# Altium PCB Dashcam_V2.0B.PcbDoc (part 1 of 8) (continued)
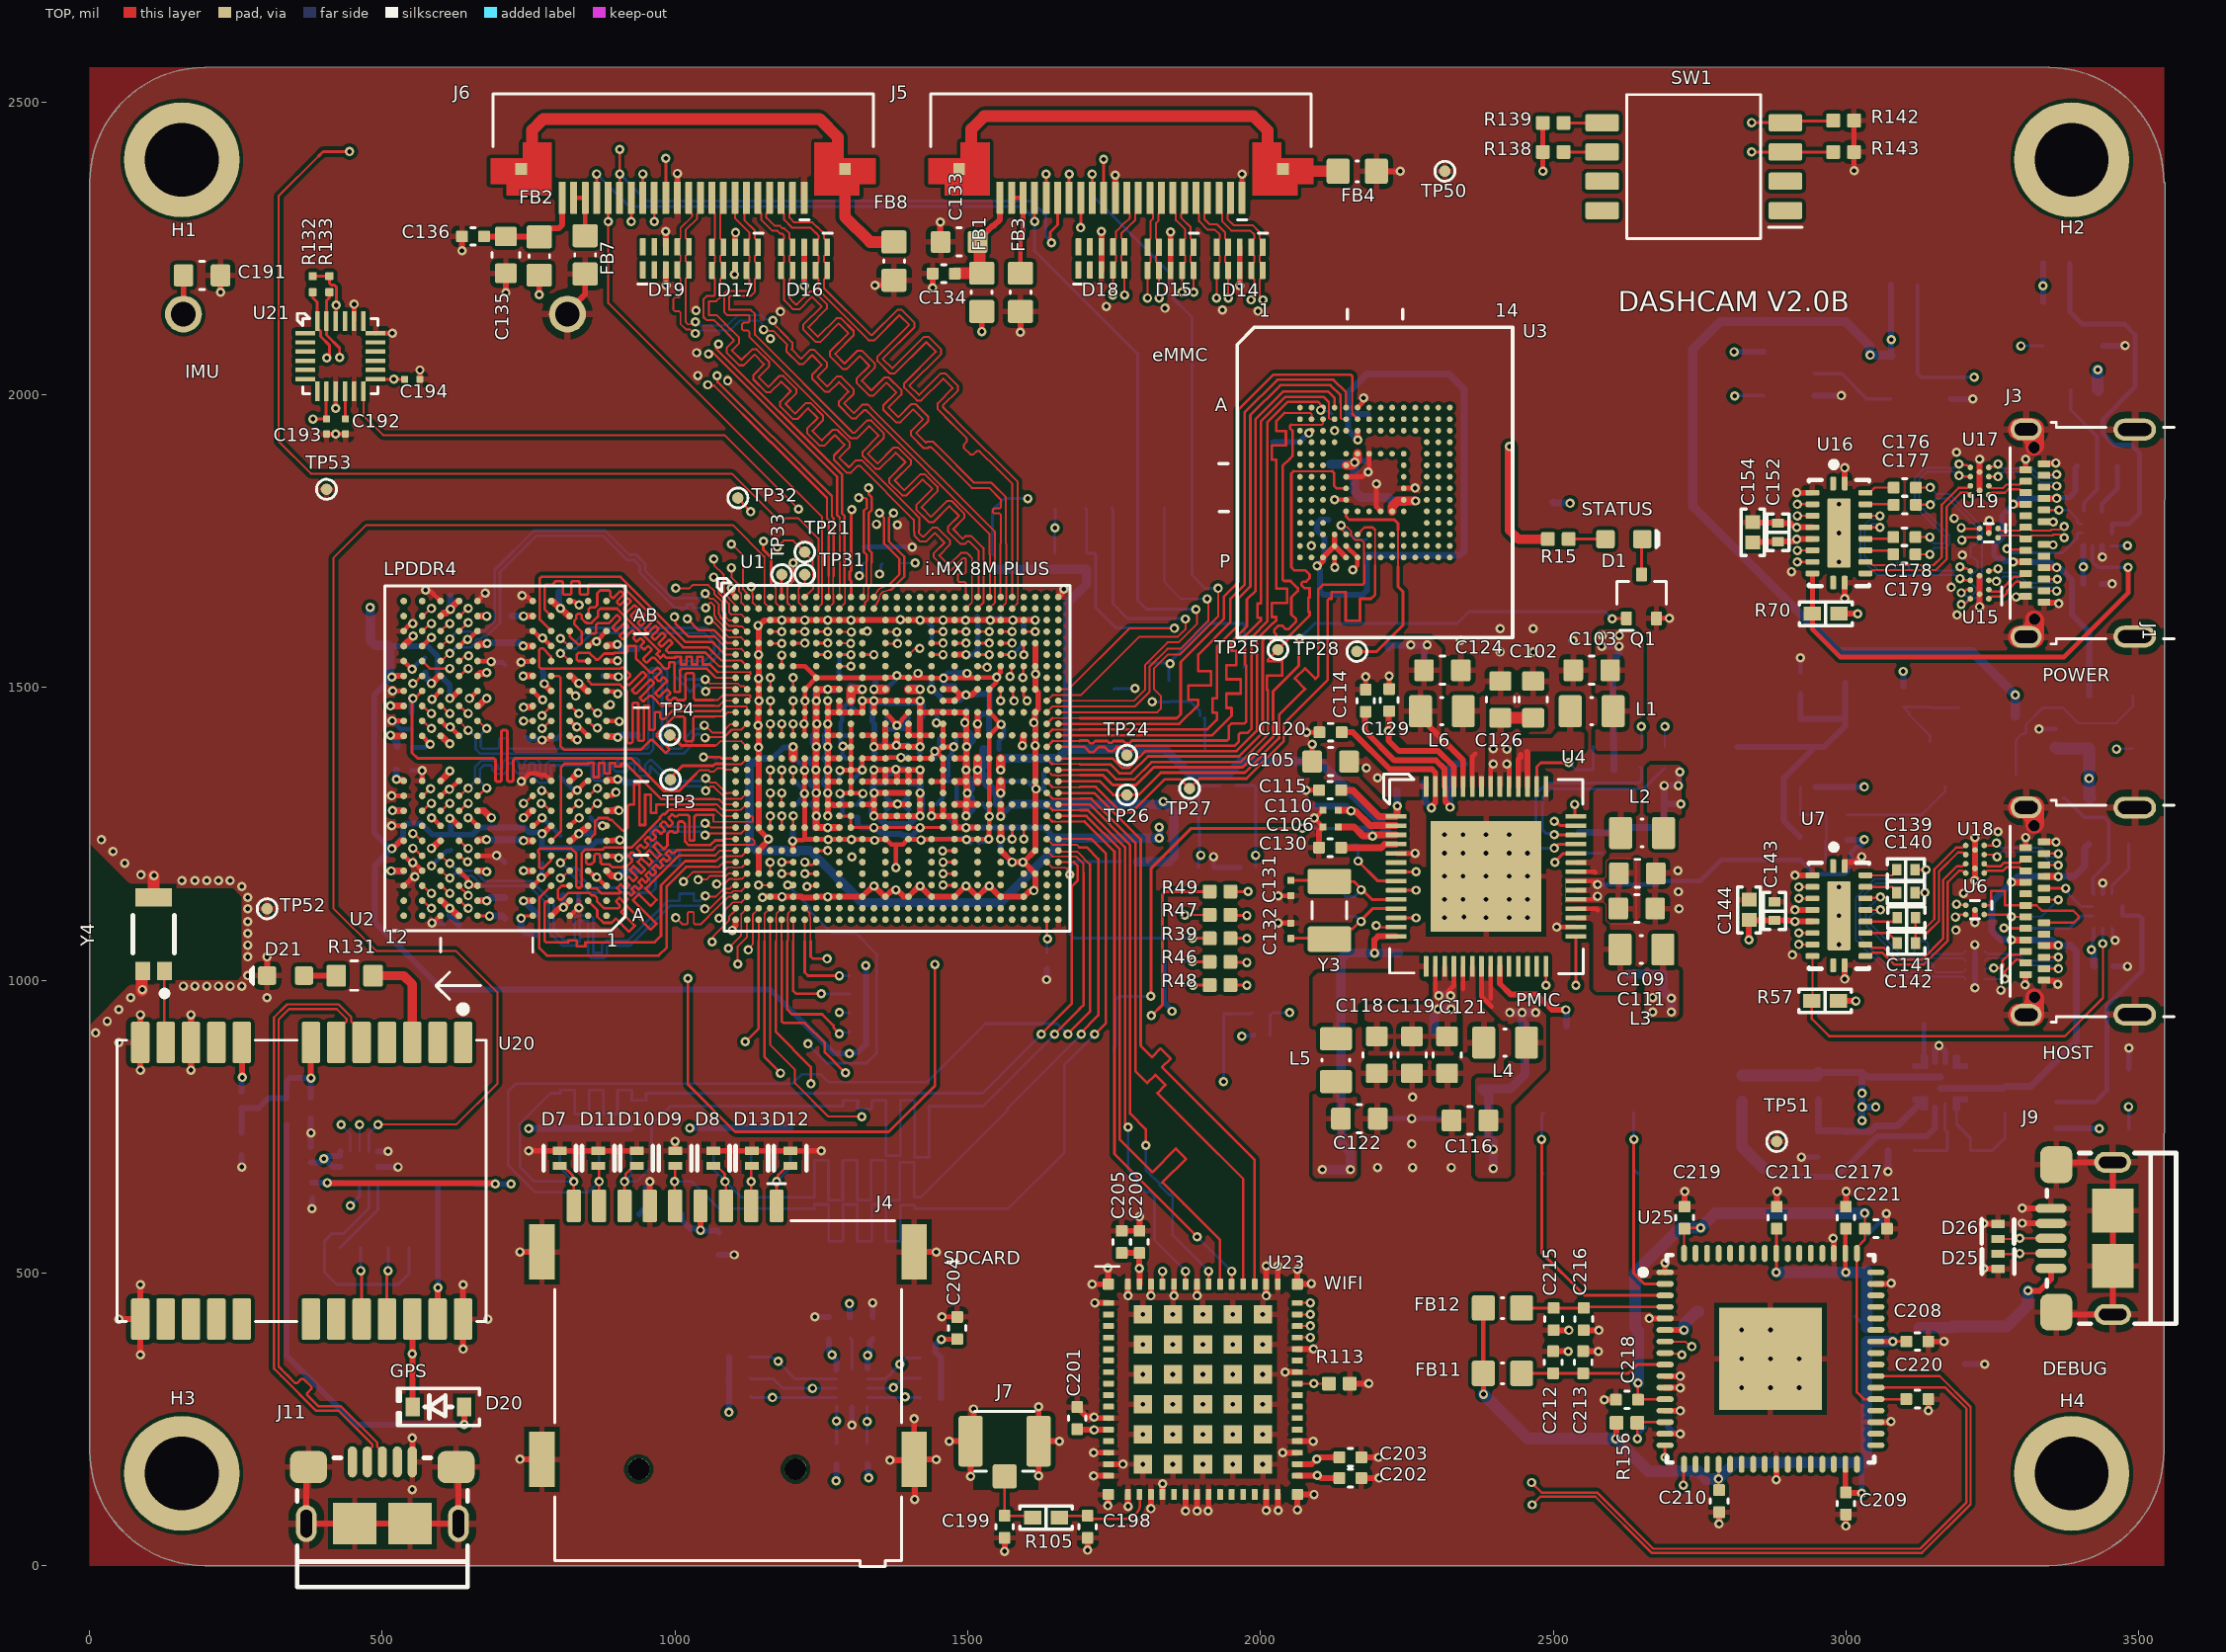
[diagram p0: TOP view]
## Components (designator, comment, footprint, x,y, rotation, side; value= is the part's Value field where it differs from the comment)
BH1 "BH600" MECH_BATTERY_HOLDER_BH600 488.19,2137.8 r90 bottom locked
C1 "CL05A106MQ5NUNC" CAP_0402_CAPC1005X05N 1380.14,1497.68 r0 bottom
C2 "02016D105MAT2A" CAP_0201_CAPC0603X03N 1298.14,1278.68 r0 bottom
C3 "02016D105MAT2A" CAP_0201_CAPC0603X03N 1361.14,1233.68 r90 bottom
C4 "02016D105MAT2A" CAP_0201_CAPC0603X03N 1399.14,1233.68 r90 bottom
C5 "02016D105MAT2A" CAP_0201_CAPC0603X03N 1630.14,1366.68 r90 bottom
C6 "02016D105MAT2A" CAP_0201_CAPC0603X03N 1609.14,1416.68 r180 bottom
C7 "02016D105MAT2A" CAP_0201_CAPC0603X03N 1552.14,1498.68 r180 bottom
C8 "02016D105MAT2A" CAP_0201_CAPC0603X03N 1298.7,1490.55 r90 bottom
C9 "02016D105MAT2A" CAP_0201_CAPC0603X03N 1540.14,1393.68 r180 bottom
C10 "02016D105MAT2A" CAP_0201_CAPC0603X03N 1546.14,1339.68 r180 bottom
C11 "CL05A106MQ5NUNC" CAP_0402_CAPC1005X05N 1320.14,1339.68 r0 bottom
C12 "02016D105MAT2A" CAP_0201_CAPC0603X03N 1361.14,1367.68 r270 bottom
C13 "02016D105MAT2A" CAP_0201_CAPC0603X03N 1395.7,1370.55 r270 bottom
C14 "02016D105MAT2A" CAP_0201_CAPC0603X03N 1361.14,1324.68 r90 bottom
C15 "02016D105MAT2A" CAP_0201_CAPC0603X03N 1396.7,1323.55 r90 bottom
C16 "02016D105MAT2A" CAP_0201_CAPC0603X03N 1538.14,1301.68 r0 bottom
C17 "LMK063BJ224MP-F" CAP_0201_CAPC0603X03N 1630.14,1313.68 r270 bottom
C18 "LMK063BJ224MP-F" CAP_0201_CAPC0603X03N 1330.14,1515.68 r0 bottom
C19 "CL05A106MQ5NUNC" CAP_0402_CAPC1005X05N 1438.7,1339.55 r180 bottom
C20 "02016D105MAT2A" CAP_0201_CAPC0603X03N 1323.14,1299.68 r0 bottom
C21 "02016D105MAT2A" CAP_0201_CAPC0603X03N 1434.14,1300.68 r180 bottom
C22 "02016D105MAT2A" CAP_0201_CAPC0603X03N 1361.14,1278.68 r270 bottom
C23 "02016D105MAT2A" CAP_0201_CAPC0603X03N 1399.14,1278.68 r270 bottom
C24 "02016D105MAT2A" CAP_0201_CAPC0603X03N 1543.14,1217.68 r0 bottom
C25 "CL05A106MQ5NUNC" CAP_0402_CAPC1005X05N 1322.14,1418.68 r0 bottom
C26 "02016D105MAT2A" CAP_0201_CAPC0603X03N 1361.14,1460.68 r90 bottom
C27 "02016D105MAT2A" CAP_0201_CAPC0603X03N 1399.14,1460.68 r90 bottom
C28 "02016D105MAT2A" CAP_0201_CAPC0603X03N 1323.14,1458.68 r0 bottom
C29 "CL05A106MQ5NUNC" CAP_0402_CAPC1005X05N 1439.14,1418.68 r180 bottom
C30 "02016D105MAT2A" CAP_0201_CAPC0603X03N 1436.14,1458.68 r180 bottom
C31 "02016D105MAT2A" CAP_0201_CAPC0603X03N 1362.7,1413.55 r270 bottom
C32 "02016D105MAT2A" CAP_0201_CAPC0603X03N 1395.7,1415.55 r270 bottom
C33 "CL05A106MQ5NUNC" CAP_0402_CAPC1005X05N 1465.14,1260.68 r90 bottom
C34 "02016D105MAT2A" CAP_0201_CAPC0603X03N 1172.14,1397.68 r0 bottom
C35 "02016D105MAT2A" CAP_0201_CAPC0603X03N 1519.14,1247.68 r90 bottom
C36 "02016D105MAT2A" CAP_0201_CAPC0603X03N 1549.14,1416.68 r180 bottom
C37 "02016D105MAT2A" CAP_0201_CAPC0603X03N 1550.14,1455.68 r180 bottom
C38 "CL05A106MQ5NUNC" CAP_0402_CAPC1005X05N 1273.14,1378.68 r180 bottom
C39 "02016D105MAT2A" CAP_0201_CAPC0603X03N 1274.14,1458.68 r180 bottom
C40 "02016D105MAT2A" CAP_0201_CAPC0603X03N 1268.14,1417.68 r180 bottom
C41 "02016D105MAT2A" CAP_0201_CAPC0603X03N 1266.14,1338.68 r180 bottom
C42 "02016D105MAT2A" CAP_0201_CAPC0603X03N 1438.14,1528.68 r270 bottom
C43 "02016D105MAT2A" CAP_0201_CAPC0603X03N 1459.14,1490.68 r270 bottom
C44 "02016D105MAT2A" CAP_0201_CAPC0603X03N 1478.14,1490.68 r270 bottom
C45 "02016D105MAT2A" CAP_0201_CAPC0603X03N 1517.14,1500.68 r270 bottom
C46 "CL05A106MQ5NUNC" CAP_0402_CAPC1005X05N 1485.7,1380.55 r0 bottom
C47 "02016D105MAT2A" CAP_0201_CAPC0603X03N 1274.14,1299.68 r180 bottom
C48 "02016D105MAT2A" CAP_0201_CAPC0603X03N 1485.14,1460.68 r0 bottom
C49 "02016D105MAT2A" CAP_0201_CAPC0603X03N 1495.14,1417.68 r0 bottom
C50 "02016D105MAT2A" CAP_0201_CAPC0603X03N 1494.14,1339.68 r0 bottom
C51 "02016D105MAT2A" CAP_0201_CAPC0603X03N 1495.14,1301.68 r0 bottom
C52 "02016D105MAT2A" CAP_0201_CAPC0603X03N 1329.14,1377.68 r0 bottom
C53 "02016D105MAT2A" CAP_0201_CAPC0603X03N 1430.14,1378.68 r180 bottom
C54 "CL05A106MQ5NUNC" CAP_0402_CAPC1005X05N 1241.14,1515.68 r270 bottom
C55 "02016D105MAT2A" CAP_0201_CAPC0603X03N 1279.7,1508.55 r270 bottom
C56 "02016D105MAT2A" CAP_0201_CAPC0603X03N 1228.14,1457.68 r0 bottom
C57 "02016D105MAT2A" CAP_0201_CAPC0603X03N 1223.14,1417.68 r0 bottom
C58 "CL05A106MQ5NUNC" CAP_0402_CAPC1005X05N 1220.14,1259.68 r0 bottom
C59 "02016D105MAT2A" CAP_0201_CAPC0603X03N 1218.14,1378.68 r0 bottom
C60 "02016D105MAT2A" CAP_0201_CAPC0603X03N 1219.14,1338.68 r0 bottom
C61 "02016D105MAT2A" CAP_0201_CAPC0603X03N 1220.14,1300.68 r0 bottom
C62 "02016D105MAT2A" CAP_0201_CAPC0603X03N 1281.14,1246.68 r90 bottom
C63 "C1005X5R0J475M050BC" CAP_0402_CAPC1005X05N 1536.14,1621.68 r180 bottom
C64 "GRM033R71C222KA88D" CAP_0201_CAPC0603X03N 1595.14,1590.68 r270 bottom
C65 "GRM033R71C222KA88D" CAP_0201_CAPC0603X03N 1438.8,1570.52 r270 bottom
C66 "GRM0335C1H180JA01D" CAP_0201_CAPC0603X03N 1906.8,1192.52 r180 bottom
C67 "GRM0335C1H180JA01D" CAP_0201_CAPC0603X03N 1978.8,1192.52 r0 bottom
C68 "CGA1A2C0G1E120J030BA" CAP_0201_CAPC0603X03N 1959.8,1590.52 r0 bottom
C69 "CGA1A2C0G1E120J030BA" CAP_0201_CAPC0603X03N 1917.8,1393.52 r180 bottom
C71 "CL05A106MQ5NUNC" CAP_0402_CAPC1005X05N 510.14,1590.68 r270 bottom
C72 "CL05A106MQ5NUNC" CAP_0402_CAPC1005X05N 773.14,1545.68 r270 bottom
C73 "02016D105MAT2A" CAP_0201_CAPC0603X03N 877.14,1532.68 r270 bottom
C74 "02016D105MAT2A" CAP_0201_CAPC0603X03N 617.14,1235.68 r90 bottom
C75 "02016D105MAT2A" CAP_0201_CAPC0603X03N 773.14,1212.68 r90 bottom
C76 "02016D105MAT2A" CAP_0201_CAPC0603X03N 877.14,1224.68 r90 bottom
C77 "CL05A106MQ5NUNC" CAP_0402_CAPC1005X05N 709.14,1557.68 r90 bottom
C78 "CL05A106MQ5NUNC" CAP_0402_CAPC1005X05N 708.14,1220.68 r90 bottom
C79 "02016D105MAT2A" CAP_0201_CAPC0603X03N 936.14,1199.68 r270 bottom
C80 "02016D105MAT2A" CAP_0201_CAPC0603X03N 822.14,1144.68 r180 bottom
C81 "02016D105MAT2A" CAP_0201_CAPC0603X03N 618.14,1095.68 r0 bottom
C82 "02016D105MAT2A" CAP_0201_CAPC0603X03N 536.14,1172.68 r90 bottom
C83 "02016D105MAT2A" CAP_0201_CAPC0603X03N 537.15,1358.68 r180 bottom
C84 "02016D105MAT2A" CAP_0201_CAPC0603X03N 538.14,1397.68 r180 bottom
C85 "CL05A106MQ5NUNC" CAP_0402_CAPC1005X05N 820.14,1663.68 r180 bottom
C86 "02016D105MAT2A" CAP_0201_CAPC0603X03N 573.14,1537.68 r270 bottom
C87 "02016D105MAT2A" CAP_0201_CAPC0603X03N 603.14,1658.68 r0 bottom
C88 "02016D105MAT2A" CAP_0201_CAPC0603X03N 720.14,1635.68 r270 bottom
C89 "02016D105MAT2A" CAP_0201_CAPC0603X03N 936.14,1431.68 r270 bottom
C90 "02016D105MAT2A" CAP_0201_CAPC0603X03N 936.14,1324.68 r90 bottom
C91 "02016D105MAT2A" CAP_0201_CAPC0603X03N 856.14,1264.68 r270 bottom
C92 "02016D105MAT2A" CAP_0201_CAPC0603X03N 936.14,1553.68 r90 bottom
C93 "CL05A475KP5NRNC" CAP_0402_CAPC1005X05N 2204,1892 r180 bottom
C94 "LMK063BJ224MP-F" CAP_0201_CAPC0603X03N 2118.7,1894.55 r270 bottom
C95 "LMK063BJ224MP-F" CAP_0201_CAPC0603X03N 2217.7,1838.54 r270 bottom
C96 "CL05A106MQ5NUNC" CAP_0402_CAPC1005X05N 2202.7,1967.55 r180 bottom
C97 "LMK063BJ224MP-F" CAP_0201_CAPC0603X03N 2115.7,1799.55 r270 bottom
C98 "LMK063BJ224MP-F" CAP_0201_CAPC0603X03N 2082.7,1769.55 r0 bottom
C99 "LMK063BJ224MP-F" CAP_0201_CAPC0603X03N 2114.7,1683.55 r180 bottom
C100 "LMK063BJ224MP-F" CAP_0201_CAPC0603X03N 2044.7,1906.55 r90 bottom
C101 "02016D105MAT2A" CAP_0201_CAPC0603X03N 2020.7,1906.55 r90 bottom
C102 "GRM188R61C106MAALD" CAP_0603_CAPC1608X08N 2465.8,1479.52 r270 top
C103 "C1608X5R1A226M080AC" CAP_0603_CAPC1608X08N 2565.8,1529.52 r0 top
C104 "C1608X5R1A226M080AC" CAP_0603_CAPC1608X08N 2565.8,1527.52 r0 bottom
C105 "GRM188R61C106MAALD" CAP_0603_CAPC1608X08N 2119.8,1373.52 r0 top
C106 "02016D105MAT2A" CAP_0201_CAPC0603X03N 2119.8,1261.52 r180 top
C107 "C1608X5R1A226M080AC" CAP_0603_CAPC1608X08N 2690.8,1228.52 r90 bottom
C108 "C1608X5R1A226M080AC" CAP_0603_CAPC1608X08N 2630.8,1229.52 r90 bottom
C109 "GRM188R61C106MAALD" CAP_0603_CAPC1608X08N 2643.8,1182.52 r180 top
C110 "02016D105MAT2A" CAP_0201_CAPC0603X03N 2119.8,1290.52 r180 top
C111 "GRM188R61C106MAALD" CAP_0603_CAPC1608X08N 2642.8,1122.52 r180 top
C112 "C1608X5R1A226M080AC" CAP_0603_CAPC1608X08N 2687.8,1042.52 r270 bottom
C113 "C1608X5R1A226M080AC" CAP_0603_CAPC1608X08N 2627.8,1041.52 r270 bottom
C114 "CL05A106MQ5NUNC" CAP_0402_CAPC1005X05N 2179.8,1477.52 r270 top
C115 "C1005X5R0J475M050BC" CAP_0402_CAPC1005X05N 2118.8,1324.52 r180 top
C116 "C1608X5R1A226M080AC" CAP_0603_CAPC1608X08N 2357.8,760.52 r0 top
C117 "C1608X5R1A226M080AC" CAP_0603_CAPC1608X08N 2359.8,763.52 r0 bottom
C118 "GRM188R61C106MAALD" CAP_0603_CAPC1608X08N 2198.8,872.52 r90 top
C119 "GRM188R61C106MAALD" CAP_0603_CAPC1608X08N 2258.8,872.52 r90 top
C120 "C1005X5R0J475M050BC" CAP_0402_CAPC1005X05N 2119.8,1423.52 r180 top
C121 "GRM188R61C106MAALD" CAP_0603_CAPC1608X08N 2318.8,872.52 r90 top
C122 "C1608X5R1A226M080AC" CAP_0603_CAPC1608X08N 2168.8,763.52 r180 top
C123 "C1608X5R1A226M080AC" CAP_0603_CAPC1608X08N 2169.8,763.52 r180 bottom
C124 "C1608X5R1A226M080AC" CAP_0603_CAPC1608X08N 2310.8,1529.52 r180 top
C125 "C1608X5R1A226M080AC" CAP_0603_CAPC1608X08N 2310.8,1530.52 r180 bottom
C126 "GRM188R61C106MAALD" CAP_0603_CAPC1608X08N 2409.8,1479.52 r270 top
C127 "GRM155C81A105KA12D" CAP_0402_CAPC1005X05N 2358.8,814.52 r0 bottom
C128 "CL05A475KP5NRNC" CAP_0402_CAPC1005X05N 2541.8,922.52 r180 bottom
C129 "GRM155C81A105KA12D" CAP_0402_CAPC1005X05N 2219.8,1478.52 r270 top
C130 "GRM155C81A105KA12D" CAP_0402_CAPC1005X05N 2118.8,1226.52 r0 top
C131 "GRM0335C1H180JA01D" CAP_0201_CAPC0603X03N 2051.8,1157.52 r90 top
C132 "GRM0335C1H180JA01D" CAP_0201_CAPC0603X03N 2051.8,1084.52 r270 top
C133 "C1608X5R1A226M080AC" CAP_0603_CAPC1608X08N 1485.24,2261.02 r0 top
C134 "CC0402KRX5R8BB104" CAP_0402_CAPC1005X05N 1459,2207 r0 top
C135 "C1608X5R1A226M080AC" CAP_0603_CAPC1608X08N 711,2238.97 r90 top
C136 "CC0402KRX5R8BB104" CAP_0402_CAPC1005X05N 655,2270.46 r0 top
C137 "GRM188R61C106MAALD" CAP_0603_CAPC1608X08N 3027.56,874.02 r270 bottom
C138 "8200 pF" "CAP 0402_1005" 3115.75,925.2 r0 bottom
C139 "0.1 µF" "MURATA GCM155 0402_1005" 3102.36,1188.98 r180 top
C140 "0.1 µF" "MURATA GCM155 0402_1005" 3102.36,1149.61 r180 top
C141 "0.1 µF" "MURATA GCM155 0402_1005" 3103.36,1106.74 r180 top
C142 "0.1 µF" "MURATA GCM155 0402_1005" 3103.36,1063.43 r180 top
C143 "0.1 µF" "MURATA GCM155 0402_1005" 2877.95,1118.11 r270 top
C144 "10000 pF" "CAP 0402_1005" 2834.65,1120.08 r270 top
C145 "0.1 µF" "MURATA GCM155 0402_1005" 3440.94,1023.62 r180 bottom
C146 "GRM155R61H224KE01W" CAP_0402_CAPC1005X05N 2984.25,1200.79 r0 bottom
C147 "GRM155R71H103KA88D" CAP_0402_CAPC1005X05N 2921.26,1263.78 r270 bottom
C148 "0.1 µF" "MURATA GCM155 0402_1005" 3358.27,1413.39 r270 bottom
C149 "0.1 µF" "MURATA GCM155 0402_1005" 3421.26,1677 r180 bottom
C150 "GRM155R61E105KA12D" CAP_0402_CAPC1005X05N 2922.24,1507.87 r270 bottom
C151 "EMK325ABJ107MM-T" CAP_1210_CAPC3225X270N 2814.96,1346.46 r90 bottom
C152 "0.1 µF" "MURATA GCM155 0402_1005" 2884,1765 r270 top
C153 "CL05B104KO5NNNC" CAP_0402_CAPC1005X05N 3192.91,1484.25 r270 bottom
C154 "10000 pF" "CAP 0402_1005" 2841,1765 r270 top
C176 "CC0402KRX5R8BB104" CAP_0402_CAPC1005X05N 3100.55,1841.52 r180 top
C177 "CC0402KRX5R8BB104" CAP_0402_CAPC1005X05N 3100.55,1811.99 r180 top
C178 "CC0402KRX5R8BB104" CAP_0402_CAPC1005X05N 3099.9,1757 r180 top
C179 "CC0402KRX5R8BB104" CAP_0402_CAPC1005X05N 3099.9,1727.47 r180 top
C184 "C2012X5R1A476M125AC" CAP_0805_CAPC2012X12N 975,600 r0 bottom
C185 "CL05B104KO5NNNC" CAP_0402_CAPC1005X05N 1075,550 r90 bottom
C190 "CC0402KRX5R8BB104" CAP_0402_CAPC1005X05N 259.84,720.47 r270 bottom
C191 "CL10A105KO8NNNC" CAP_0603_CAPC1608X08N 192,2204 r180 top
C192 "C0201C104K7PAC7867" CAP_0201_CAPC0603X03N 437.01,1946.06 r90 top
C193 "C0201C104K7PAC7867" CAP_0201_CAPC0603X03N 404.64,1946.06 r90 top
C194 "C0201C104K7PAC7867" CAP_0201_CAPC0603X03N 551.18,2026.58 r180 top
C195 "02016D105MAT2A" CAP_0201_CAPC0603X03N 377.95,701.57 r270 bottom
C196 "02016D105MAT2A" CAP_0201_CAPC0603X03N 380,641 r90 bottom
C198 "GJM1555C1H100FB01D" CAP_0402_CAPC1005X05N 1704.72,66.34 r90 top
C199 "GJM1555C1H100FB01D" CAP_0402_CAPC1005X05N 1562.99,66.34 r90 top
C200 "CL05B104KO5NNNC" CAP_0402_CAPC1005X05N 1793.31,553 r270 top
C201 "GRM155C81A105KA12D" CAP_0402_CAPC1005X05N 1687,251.97 r270 top
C202 "CL05B104KO5NNNC" CAP_0402_CAPC1005X05N 2153.54,149.61 r180 top
C203 "CL05A475KP5NRNC" CAP_0402_CAPC1005X05N 2153.54,185.04 r180 top
C204 "CL05A475KP5NRNC" CAP_0402_CAPC1005X05N 1482,406 r270 top
C205 "CL05B104KO5NNNC" CAP_0402_CAPC1005X05N 1763,553 r270 top
C206 "CC0402KRX5R8BB104" CAP_0402_CAPC1005X05N 1337.59,406 r270 bottom
C207 "CC0402KRX5R8BB104" CAP_0402_CAPC1005X05N 1262.79,405.43 r270 bottom
C208 "CC0402KRX5R8BB104" CAP_0402_CAPC1005X05N 3122.05,382.88 r180 top
C209 "CC0402KRX5R8BB104" CAP_0402_CAPC1005X05N 3000,106.3 r90 top
C210 "CC0402KRX5R8BB104" CAP_0402_CAPC1005X05N 2783.46,110.24 r90 top
C211 "CC0402KRX5R8BB104" CAP_0402_CAPC1005X05N 2881.89,594.49 r270 top
C212 "CL05A475KP5NRNC" CAP_0402_CAPC1005X05N 2500,347.45 r270 top
C213 "CC0402KRX5R8BB104" CAP_0402_CAPC1005X05N 2551.18,347.45 r270 top
C214 "CC0402KRX5R8BB104" CAP_0402_CAPC1005X05N 2677,237 r180 bottom
C215 "CL05A475KP5NRNC" CAP_0402_CAPC1005X05N 2501,421.26 r90 top
C216 "CC0402KRX5R8BB104" CAP_0402_CAPC1005X05N 2552.18,421.26 r90 top
C217 "CC0402KRX5R8BB104" CAP_0402_CAPC1005X05N 3000,594.49 r270 top
C218 "CL05A475KP5NRNC" CAP_0402_CAPC1005X05N 2625.98,283.46 r0 top
C219 "CC0402KRX5R8BB104" CAP_0402_CAPC1005X05N 2724.41,594.49 r270 top
C220 "CC0402KRX5R8BB104" CAP_0402_CAPC1005X05N 3122.05,284.46 r180 top
C221 "CC0402KRX5R8BB104" CAP_0402_CAPC1005X05N 3051.3,575.59 r180 top
C222 "GRM188R61C106MAALD" CAP_0603_CAPC1608X08N 3203,376 r90 bottom
C223 "GRM188R61C106MAALD" CAP_0603_CAPC1608X08N 3036,535 r270 bottom
C224 "27 pF" "CAP 0402_1005" 2637.8,791.34 r270 bottom
C225 "27 pF" "CAP 0402_1005" 2484.25,791.34 r270 bottom
D1 "LTST-C191KGKT" LED_0603-GREEN 2620.8,1753.52 r0 top
D7 "RF2945-000" FP-SESD0402-MFG 803.35,695.87 r270 top value=0.1pF
D8 "RF2945-000" FP-SESD0402-MFG 1065.81,695.87 r270 top value=0.1pF
D9 "RF2945-000" FP-SESD0402-MFG 1000.2,695.87 r270 top value=0.1pF
D10 "RF2945-000" FP-SESD0402-MFG 934.58,695.87 r270 top value=0.1pF
D11 "RF2945-000" FP-SESD0402-MFG 868.96,695.87 r270 top value=0.1pF
D12 "RF2945-000" FP-SESD0402-MFG 1197.05,695.87 r270 top value=0.1pF
D13 "RF2945-000" FP-SESD0402-MFG 1131.43,695.87 r270 top value=0.1pF
D14 "IP4292CZ10-TBR,115" DIO_TVS_SON50P100X250X50-10N 1964.57,2232.28 r270 top locked
D15 "IP4292CZ10-TBR,115" DIO_TVS_SON50P100X250X50-10N 1846.46,2232.28 r270 top locked
D16 "IP4292CZ10-TBR,115" DIO_TVS_SON50P100X250X50-10N 1220.47,2232.28 r270 top locked
D17 "IP4292CZ10-TBR,115" DIO_TVS_SON50P100X250X50-10N 1102.36,2232.28 r270 top locked
D18 "IP4292CZ10-TBR,115" DIO_TVS_SON50P100X250X50-10N 1728.35,2232.98 r90 top locked
D19 "IP4292CZ10-TBR,115" DIO_TVS_SON50P100X250X50-10N 984.25,2232.98 r90 top locked
D20 "1SS367,H3F" SOD323 596,271 r180 top
D21 "ASCKCB00-NS3T4010302" LED_0603-BLUE-0.75mm 334.65,1007.87 r180 top
D25 "RF2945-000" FP-SESD0402-MFG 3259.84,519.69 r90 top value=0.1pF
D26 "RF2945-000" FP-SESD0402-MFG 3259.84,570.87 r270 top value=0.1pF
FB1 "BLM18AG102SN1D" IND_0603_INDC1608X08N 1524,2175 r90 top
FB2 "BLM18AG102SN1D" IND_0603_INDC1608X08N 768,2237 r90 top
FB3 "BLM18AG102SN1D" IND_0603_INDC1608X08N 1590,2175 r270 top
FB4 "BLM18AG102SN1D" IND_0603_INDC1608X08N 2165.35,2381.89 r0 top
FB7 "BLM18AG102SN1D" IND_0603_INDC1608X08N 846.46,2239 r270 top
FB8 "BLM18AG102SN1D" IND_0603_INDC1608X08N 1374.02,2228.35 r270 top
FB9 "BLM18AG102SN1D" IND_0603_INDC1608X08N 628,652 r180 bottom
FB11 "BLM18AG102SN1D" IND_0603_INDC1608X08N 2413.39,328.55 r0 top
FB12 "BLM18AG102SN1D" IND_0603_INDC1608X08N 2413.39,440.16 r0 top
H1 "Mounting Hole" PTH_3.2X5 157.48,2401.57 r0 top
H2 "Mounting Hole" PTH_3.2X5 3385.83,2401.57 r0 top
H3 "Mounting Hole" PTH_3.2X5 157.48,157.48 r0 top
H4 "Mounting Hole" PTH_3.2X5 3385.83,157.48 r0 top
J1 "12401945E212A" CONN_USBC_AMPHENOL_12401945E212A 3493.31,1118.11 r90 top locked
J3 "12401945E212A" CONN_USBC_AMPHENOL_12401945E212A 3493.31,1763.78 r90 top locked
J4 "MEM2075-00-140-01-A" CONN_MICROSD_GCT_MEM2075-00-140-01-A 1090.55,389.76 r0 top locked
J5 "SFV22R-2STBE1HLF" CONN_FPC_AMPHENOL_SFV22R-2STBE1HLF 1761.81,2431.1 r180 top locked
J6 "SFV22R-2STBE1HLF" CONN_FPC_AMPHENOL_SFV22R-2STBE1HLF 1013.78,2431.1 r180 top locked
J7 "U.FL-R-SMT-1(10)" CONN_UFL_U.FL-R-SMT-1(10) 1562.99,212.6 r180 top
J9 "10118193-0001LF" "FCI USB 10118193-0001LF" 3453.74,559.06 r270 top locked
J11 "10118193-0001LF" "FCI USB 10118193-0001LF" 500,73.82 r180 top
L1 "MCKK2012TR47M" IND_0805_INDC2012X10N 2565.8,1459.52 r0 top
L2 "MCKK2012TR47M" IND_0805_INDC2012X10N 2651.8,1251.52 r0 top
L3 "MCKK2012TR47M" IND_0805_INDC2012X10N 2650.8,1052.52 r0 top
L4 "MCKK2012TR47M" IND_0805_INDC2012X10N 2417.8,893.52 r0 top
L5 "MCKK2012TR47M" IND_0805_INDC2012X10N 2128.8,863.52 r270 top
L6 "MCKK2012TR47M" IND_0805_INDC2012X10N 2309.8,1459.52 r180 top
Q1 "DMN61D9UWQ-13" SOT-323 2650.8,1655.52 r90 top
Q2 "AON7405" TRANS_AON7405 2960.63,1388.39 r180 bottom
Q3 "NX3008NBKW,115" TRANS_FET_SOT65P210X110-3N 3169.29,1370.08 r270 bottom
R1 "RC0201FR-0710KL" RES_0201_RESC0603X02N 550.14,1442.68 r90 bottom
R2 "RC0201FR-07240RL" RES_0201_RESC0603X02N 1072.14,1392.68 r270 bottom
R3 "RC0201FR-07200RL" RES_0201_RESC0603X02N 1322.8,1726.52 r90 bottom
R4 "RC0201FR-078K2L" RES_0201_RESC0603X02N 1386.8,1726.52 r270 bottom
R5 "RC0201FR-07200RL" RES_0201_RESC0603X02N 1354.8,1726.52 r90 bottom
R6 "RC0201FR-078K2L" RES_0201_RESC0603X02N 1634.8,1033.52 r90 bottom
R9 "RC0201FR-07100KL" RES_0201_RESC0603X02N 1648.8,1715.52 r270 bottom
R10 "RC0201FR-07100KL" RES_0201_RESC0603X02N 1702.8,1715.52 r270 bottom
R11 "RC0201FR-07100KL" RES_0201_RESC0603X02N 1541.8,1715.52 r270 bottom
R12 "RC0201JR-074M7L" RES_0201_RESC0603X02N 1943.8,1332.52 r0 bottom
R13 "ERJ-2GEJ514X" RES_0402_RESC1005X04N 1844.8,1493.52 r270 bottom
R15 "ERJ-2RKF1001X" RES_0402_RESC1005X04N 2508.8,1753.52 r180 top
R16 "RK73B1HTTC472J" RES_0201_RESC0603X02N 1848.7,1032.55 r0 bottom
R17 "RK73B1HTTC472J" RES_0201_RESC0603X02N 1848.7,991.55 r0 bottom
R18 "RK73B1HTTC472J" RES_0201_RESC0603X02N 1312.14,912.68 r180 bottom
R19 "RK73B1HTTC472J" RES_0201_RESC0603X02N 1312.14,944.68 r180 bottom
R20 "RK73B1HTTC472J" RES_0201_RESC0603X02N 1312.14,1007.68 r180 bottom
R21 "RK73B1HTTC472J" RES_0201_RESC0603X02N 1312.14,976.68 r180 bottom
R24 "RK73B1HTTC472J" RES_0201_RESC0603X02N 1775.8,1202.52 r180 bottom
R29 "RC0402FR-07240RL" RES_0402_RESC1005X04N 764.14,1095.68 r270 bottom
R30 "RC0402FR-07240RL" RES_0402_RESC1005X04N 709.14,1123.68 r270 bottom
R33 "RC0201FR-0710KL" RES_0201_RESC0603X02N 2135.7,1967.55 r0 bottom
R34 "RC0201FR-0710KL" RES_0201_RESC0603X02N 2181.7,1739.55 r270 bottom
R35 "ERJ-2GE0R00X" RES_0402_RESC1005X04N 2585.8,1399.52 r0 bottom
R36 "ERJ-2GE0R00X" RES_0402_RESC1005X04N 2585.8,1359.52 r0 bottom
R37 "ERJ-2GE0R00X" RES_0402_RESC1005X04N 2584.8,1234.52 r90 bottom
R38 "ERJ-2GE0R00X" RES_0402_RESC1005X04N 2543.8,1234.52 r90 bottom
R39 "ERJ-2GE0R00X" RES_0402_RESC1005X04N 1930.8,1071.52 r0 top
R40 "RC0201FR-07100KL" RES_0201_RESC0603X02N 2166.8,1245.52 r270 bottom
R41 "ERJ-2GE0R00X" RES_0402_RESC1005X04N 2129.8,1242.52 r270 bottom
R42 "ERJ-2GE0R00X" RES_0402_RESC1005X04N 2649.8,1380.52 r270 bottom
R43 "ERJ-2GE0R00X" RES_0402_RESC1005X04N 2690.8,1380.52 r270 bottom
R44 "ERJ-2GE0R00X" RES_0402_RESC1005X04N 2002.8,944.52 r0 bottom
R45 "RC0201FR-07100KL" RES_0201_RESC0603X02N 2002.8,906.52 r0 bottom
R46 "ERJ-2GE0R00X" RES_0402_RESC1005X04N 1930.8,1031.52 r0 top
R47 "ERJ-2GE0R00X" RES_0402_RESC1005X04N 1930.8,1111.52 r180 top
R48 "ERJ-2GE0R00X" RES_0402_RESC1005X04N 1930.8,991.52 r0 top
R49 "ERJ-2GE0R00X" RES_0402_RESC1005X04N 1930.8,1151.52 r180 top
R50 "CR0402-FX-1004GLF" RES_0402_RESC1005X04N 2143.8,1126.52 r270 bottom
R51 "470 kOhms" "RES 0402_1005" 3271.65,795.28 r90 bottom
R52 "47 kOhms" "RES 0402_1005" 2952.76,818.9 r90 bottom
R53 "47 kOhms" "RES 0402_1005" 2822.83,814.96 r90 bottom
R54 "130 kOhms" "YAGEO RES 0402_1005" 3192.91,708.66 r0 bottom
R55 "15.4 kOhms" "RES 0402_1005" 2952.76,720.47 r90 bottom
R56 "154 kOhms" "RES 0402_1005" 3094.49,708.66 r0 bottom
R57 "10 kOhms" "RES 0402_1005" 2964.57,964.57 r0 top
R58 "10 kOhms" "RES 0402_1005" 3360,769.36 r270 bottom
R59 "ERJ-2RKF2202X" RES_0402_RESC1005X04N 2984.25,1240.16 r0 bottom
R60 "ERJ-2RKF4701X" RES_0402_RESC1005X04N 2984.25,1282.68 r180 bottom
R61 "10 kOhms" "RES 0402_1005" 3393.7,1311.02 r0 bottom
R62 "ERJ-2RKF2202X" RES_0402_RESC1005X04N 3098.43,1484.25 r270 bottom
R63 "887 kOhms" "RES 0805_2012" 3448.82,1232.28 r0 bottom
R64 "10 kOhms" "RES 0402_1005" 3291,1431 r90 bottom
R65 "RC0402FR-07100KL" RES_0402_RESC1005X04N 3143.7,1484.25 r270 bottom
R66 "10 kOhms" "RES 0402_1005" 3360,2225 r180 bottom
R67 "887 kOhms" "RES 0805_2012" 3429.13,1877.95 r0 bottom
R68 "10 kOhms" "RES 0402_1005" 3406.5,2007.87 r0 bottom
R69 "10 kOhms" "RES 0402_1005" 3100,2188 r180 bottom
R70 "10 kOhms" "RES 0402_1005" 2965.55,1625.98 r0 top
R105 "0 Ohms" "RES 0402_1005" 1633.86,81.89 r180 top
R107 "47 kOhms" "RES 0402_1005" 803,724 r90 bottom
R108 "47 kOhms" "RES 0402_1005" 1065.81,725 r90 bottom
R109 "47 kOhms" "RES 0402_1005" 925,725 r90 bottom
R110 "47 kOhms" "RES 0402_1005" 870.28,724 r90 bottom
R111 "47 kOhms" "RES 0402_1005" 1197.05,725 r90 bottom
R112 "47 kOhms" "RES 0402_1005" 1131.43,725 r90 bottom
R113 "ERJ-2GEJ103X" RES_0402_RESC1005X04N 2134.65,311.02 r180 top
R122 "RC0201FR-0710KL" RES_0201_RESC0603X02N 259.84,795.28 r270 bottom
R125 "RC0402FR-0733RL" RES_0402_RESC1005X04N 445.37,543.31 r180 bottom
R126 "RC0402FR-0733RL" RES_0402_RESC1005X04N 527.56,543.31 r0 bottom
R129 "RC0402FR-07100KL" RES_0402_RESC1005X04N 377.95,781.5 r90 bottom
R130 "100 Ohms" "RES 0402_1005" 336,776 r90 bottom
R131 "AC0603FR-101KL" RES_0603_RESC1608X04N 452.76,1007.87 r180 top
R132 "RC0201FR-0710KL" RES_0201_RESC0603X02N 381.02,2188.98 r90 top
R133 "RC0201FR-0710KL" RES_0201_RESC0603X02N 409.45,2188.98 r90 top
R138 "RC0402JR-072K2L" RES_0402_RESC1005X04N 2500,2414.76 r180 top
R139 "RC0402JR-072K2L" RES_0402_RESC1005X04N 2500,2464.57 r180 top
R142 "RC0402FR-07100KL" RES_0402_RESC1005X04N 2996.06,2468.5 r180 top
R143 "RC0402FR-07100KL" RES_0402_RESC1005X04N 2996.06,2414.76 r180 top
R146 "ERJ-2GEJ103X" RES_0402_RESC1005X04N 1328,191 r270 bottom
R147 "ERJ-2GEJ103X" RES_0402_RESC1005X04N 1437,286 r0 bottom
R148 "ERJ-2GEJ103X" RES_0402_RESC1005X04N 1437,320 r0 bottom
R149 "ERJ-2GEJ103X" RES_0402_RESC1005X04N 1437,355 r0 bottom
R150 "ERJ-2GEJ103X" RES_0402_RESC1005X04N 1275.59,191 r270 bottom
R151 "ERJ-2GEJ103X" RES_0402_RESC1005X04N 1110,289 r180 bottom
R152 "ERJ-2GEJ103X" RES_0402_RESC1005X04N 1110,321 r180 bottom
R153 "ERJ-2GEJ103X" RES_0402_RESC1005X04N 1110,356 r180 bottom
R154 "ERJ-2GEJ103X" RES_0402_RESC1005X04N 1299.48,406 r270 bottom
R155 "12 kOhms" "RES 0402_1005" 2770.87,434 r180 bottom
R156 "ERJ-2GEJ103X" RES_0402_RESC1005X04N 2625.98,244.09 r180 top
SW1 "218-4LPSTR" SW_DIP_SOIC127P844X265-8N 2740.16,2389.76 r180 top locked
TP1 "NO COMPONENT" TP_PAD_0.8MM_SMD_ROUND 2499.14,1816.68 r90 bottom
TP2 "NO COMPONENT" TP_PAD_0.8MM_SMD_ROUND 2392.14,2026.68 r90 bottom
TP3 "NO COMPONENT" TP_PAD_0.5MM_SMD_ROUND 992.14,1342.68 r90 top
TP4 "NO COMPONENT" TP_PAD_0.5MM_SMD_ROUND 991.14,1418.68 r90 top
TP5 "NO COMPONENT" TP_PAD_0.5MM_SMD_ROUND 1541.8,1759.84 r0 bottom
TP11 "NO COMPONENT" TP_PAD_0.8MM_SMD_ROUND 1542.75,1803.24 r90 bottom
TP12 "NO COMPONENT" TP_PAD_0.8MM_SMD_ROUND 1702.8,1807.52 r90 bottom
TP13 "NO COMPONENT" TP_PAD_0.8MM_SMD_ROUND 1649.8,1806.52 r90 bottom
TP14 "NO COMPONENT" TP_PAD_0.8MM_SMD_ROUND 1749.8,1497.52 r90 bottom
TP15 "NO COMPONENT" TP_PAD_0.5MM_SMD_ROUND 1893.8,1330.52 r90 bottom
TP16 "NO COMPONENT" TP_PAD_0.5MM_SMD_ROUND 1747.99,1807.52 r90 bottom
TP17 "NO COMPONENT" TP_PAD_0.5MM_SMD_ROUND 1835.99,1807.52 r90 bottom
TP18 "NO COMPONENT" TP_PAD_0.5MM_SMD_ROUND 1809.8,1541.52 r90 bottom
TP19 "NO COMPONENT" TP_PAD_0.5MM_SMD_ROUND 1882.99,1807.52 r90 bottom
TP20 "NO COMPONENT" TP_PAD_0.5MM_SMD_ROUND 1790.42,1807.52 r90 bottom
TP21 "NO COMPONENT" TP_PAD_0.5MM_SMD_ROUND 1221.57,1731.3 r90 top
TP24 "NO COMPONENT" TP_PAD_0.5MM_SMD_ROUND 1771.8,1384.52 r90 top
TP25 "NO COMPONENT" TP_PAD_0.5MM_SMD_ROUND 2029.7,1564.55 r90 top
TP26 "NO COMPONENT" TP_PAD_0.5MM_SMD_ROUND 1771.8,1316.52 r90 top
TP27 "NO COMPONENT" TP_PAD_0.5MM_SMD_ROUND 1878.8,1327.52 r90 top
TP28 "NO COMPONENT" TP_PAD_0.5MM_SMD_ROUND 2164.7,1561.55 r90 top
TP29 "NO COMPONENT" TP_PAD_0.5MM_SMD_ROUND 2822.83,743.11 r90 bottom
TP30 "NO COMPONENT" TP_PAD_0.5MM_SMD_ROUND 3290,1351 r90 bottom
TP31 "NO COMPONENT" TP_PAD_0.5MM_SMD_ROUND 1221.57,1692.91 r180 top
TP32 "NO COMPONENT" TP_PAD_0.5MM_SMD_ROUND 1107.28,1823.82 r180 top
TP33 "NO COMPONENT" TP_PAD_0.5MM_SMD_ROUND 1182.2,1692.91 r180 top
TP38 "NO COMPONENT" TP_PAD_0.8MM_SMD_ROUND 2601.8,1460.52 r90 bottom
TP39 "NO COMPONENT" TP_PAD_0.8MM_SMD_ROUND 2218.8,1258.52 r90 bottom
TP40 "NO COMPONENT" TP_PAD_0.8MM_SMD_ROUND 2689.8,1301.52 r90 bottom
TP41 "NO COMPONENT" TP_PAD_0.5MM_SMD_ROUND 2071.7,1297.55 r90 bottom
TP42 "NO COMPONENT" TP_PAD_0.8MM_SMD_ROUND 2349.8,1369.52 r90 bottom
TP43 "NO COMPONENT" TP_PAD_0.5MM_SMD_ROUND 2232.7,1324.55 r90 bottom
TP44 "NO COMPONENT" TP_PAD_0.8MM_SMD_ROUND 2451.8,891.52 r90 bottom
TP45 "NO COMPONENT" TP_PAD_0.8MM_SMD_ROUND 2280.8,1328.52 r90 bottom
TP46 "NO COMPONENT" TP_PAD_0.8MM_SMD_ROUND 2235.8,1046.52 r90 bottom
TP47 "NO COMPONENT" TP_PAD_0.8MM_SMD_ROUND 2218.8,1572.52 r90 bottom
TP48 "NO COMPONENT" TP_PAD_0.5MM_SMD_ROUND 2298.8,669.52 r90 bottom
TP49 "NO COMPONENT" TP_PAD_0.5MM_SMD_ROUND 2296.8,913.52 r90 bottom
TP50 "NO COMPONENT" TP_PAD_0.5MM_SMD_ROUND 2314.96,2381.89 r90 top
TP51 "NO COMPONENT" TP_PAD_0.5MM_SMD_ROUND 2881.89,724.41 r90 top
TP52 "NO COMPONENT" TP_PAD_0.5MM_SMD_ROUND 303.15,1122.05 r90 top
TP53 "NO COMPONENT" TP_PAD_0.5MM_SMD_ROUND 404.64,1838.58 r90 top
TP54 "NO COMPONENT" TP_PAD_0.8MM_SMD_ROUND 1752.7,886.55 r90 bottom
TP55 "NO COMPONENT" TP_PAD_0.8MM_SMD_ROUND 1937.8,942.52 r90 bottom
TP60 "NO COMPONENT" TP_PAD_0.8MM_SMD_ROUND 2999.02,1507.87 r0 bottom
U1 "MIMX8ML8DVNLZAB" IC_MPU_BGA548C50P29X29_1500X1500X148 1379.05,1378.94 r0 top locked
U2 "MT53E1G32D2FW-046WT:A" IC_DRAM_BGA200_0P65X0P8_10P1X14P6 709.76,1378.94 r180 top locked
U3 "SDINBDG4-32G-I1" IC_MEMORY_eMMC 2195.43,1850.13 r0 top locked
U4 "PCA9450CHNY" IC_PMIC_QFN40P800X800X100-57N-D 2385.34,1177.39 r0 top locked
U5 "LM73100RPWR" FP-RPW0010A-MFG 3161.42,824.8 r90 bottom
U6 "PCMF1USB3SZ" ESD_PESD1USB3BCX 3220.47,1120.08 r270 top
U7 "HD3SS3212IRKSR" FP-RKS0020A-MFG 2988.19,1110.24 r0 top
U8 "SN74LVC1G04DBVR" FP-DBV0005A-MFG 3446,798 r270 bottom
U9 "TUSB321AIRWBR" FP-RWB0012A-MFG 3446.85,1118.11 r0 bottom
U10 "TPS2065CDBVR-2" FP-DBV0005A-IPC_A 3452.76,1440.94 r270 bottom
U11 "SN74LV1T34DBVR" FP-DBV0005A-IPC_B 2902.67,2036 r180 bottom
U12 "SN74LVC1G04DBVR" FP-DBV0005A-MFG 3388,2121 r180 bottom
U13 "TUSB321AIRWBR" FP-RWB0012A-MFG 3429.13,1771.65 r0 bottom locked
U14 "SN74LVC1G04DBVR" FP-DBV0005A-MFG 3128,2030 r180 bottom
U15 "PCMF2USB3SZ" ESD_PCMF2USB3SZ 3228.35,1675.2 r270 top
U16 "HD3SS3212IRKSR" FP-RKS0020A-MFG 2988.19,1763.78 r0 top
U17 "PCMF2USB3SZ" ESD_PCMF2USB3SZ 3228.35,1852.36 r270 top
U18 "PCMF2USB3SZ" ESD_PCMF2USB3SZ 3220.47,1206.69 r270 top
U19 "PCMF1USB3SZ" ESD_PESD1USB3BCX 3244.09,1763.78 r270 top
U20 "NEO-M9N-00B" IC_MODULE_UBLOX_NEOM9N00B 362.2,657.48 r90 top locked
U21 "ICM-20948" IC_IMU_TDK_InvenSense_0_IPC_A 428.27,2065.95 r0 top locked
U22 "NTS0104GU12,115" IC_LEVEL_TRASLATOR_XQFN12_0P4_1P8X2P1 460.63,681.1 r270 bottom
U23 "LBEE5QD1ZM-572" IC_WIFI_BLE_LBEE5QD1ZM572 1901.57,301.18 r270 top locked
U24 "NTS0104GU12,115" IC_LEVEL_TRASLATOR_XQFN12_0P4_1P8X2P1 1302.16,303.64 r180 bottom
U25 "FT2232HQ-Reel" FP-FT2232HQ-Reel-MFG 2871.18,353.35 r0 top locked
U26 "AP2114H-3.3TRG1" IC_REG_SOT230P700X180-4N 3035.43,291.34 r270 bottom
U27 "PCMF2USB3SZ" ESD_PCMF2USB3SZ 3220.47,1025.59 r90 bottom
Y1 "TSX-3225 24.0000MF15X-AC3" CRYSTAL_24MHz_OSCCC320X250X60 1937.8,1491.52 r0 bottom
Y2 "ABS07-32.768KHZ-T" CRYSTAL_ABS07-32.768KHZ-T 1943.8,1263.52 r180 bottom
Y3 "ABS07-32.768KHZ-T" CRYSTAL_ABS07-32.768KHZ-T 2117.8,1119.52 r270 top
Y4 "W3011A" FP-W3011A-MFG 109.25,1078.74 r270 top
Y5 "ABM3-12.000MHZ-D2Y-T" FP-ABM3-MFG 2563.99,669.65 r180 bottom

## Footprints (in the part's own frame and the unit in brackets; to place one, negate y for a bottom-side part, rotate by r counter-clockwise, add the part's x,y. Pads: shape width x height; smd on the part's side, far side on the other; paste and mask are expansions set on the pad)
"CAP 0402_1005" [mm] "Chip Capacitor, 2-Leads, Body 1.02x0.51mm, IPC Medium Density"
  rect 0.6x0.64 smd: 1(-0.44,0) 2(0.44,0)
  silkscreen extent -1,-0.5 1,0.5, body extent -0.5,-0.26 0.5,0.26, height 0.52
CAP_0201_CAPC0603X03N [mm] "Chip Capacitor, 2-Leads, Body 0.60x0.30mm, IPC Medium Density"
  rrect20% 0.305x0.305 smd mask+0.076: 1(-0.33,0) 2(0.33,0)
  body extent -0.3,-0.15 0.3,0.15, height 0.3
CAP_0402_CAPC1005X05N [mil] "Chip Capacitor, 2-Leads, Body 1.00x0.50mm, IPC Medium Density"
  rrect20% 20x20 smd: 1(-18.9,0) 2(18.9,0)
  silkscreen extent -4,-15 4,15, body extent -20,-10 20,10, height 20
CAP_0603_CAPC1608X08N [mm] "Chip Capacitor, 2-Leads, Body 1.60x0.80mm, IPC Medium Density"
  rrect20% 0.85x0.95 smd: 1(-0.8,0) 2(0.8,0)
  silkscreen extent -0.1,-0.61 0.1,0.61, body extent -0.8,-0.4 0.8,0.4, height 0.3
CAP_0805_CAPC2012X12N [mm] "Chip Capacitor, 2-Leads, Body 2.00x1.25mm, IPC Medium Density"
  rrect20% 1x1.5 smd: 1(-0.925,0) 2(0.925,0)
  silkscreen extent -0.08,-0.86 0.08,0.86, body extent -1,-0.63 1,0.63, height 0.78